# KiCad board Boston-keyboard-V06-1J.kicad_pcb (continued)
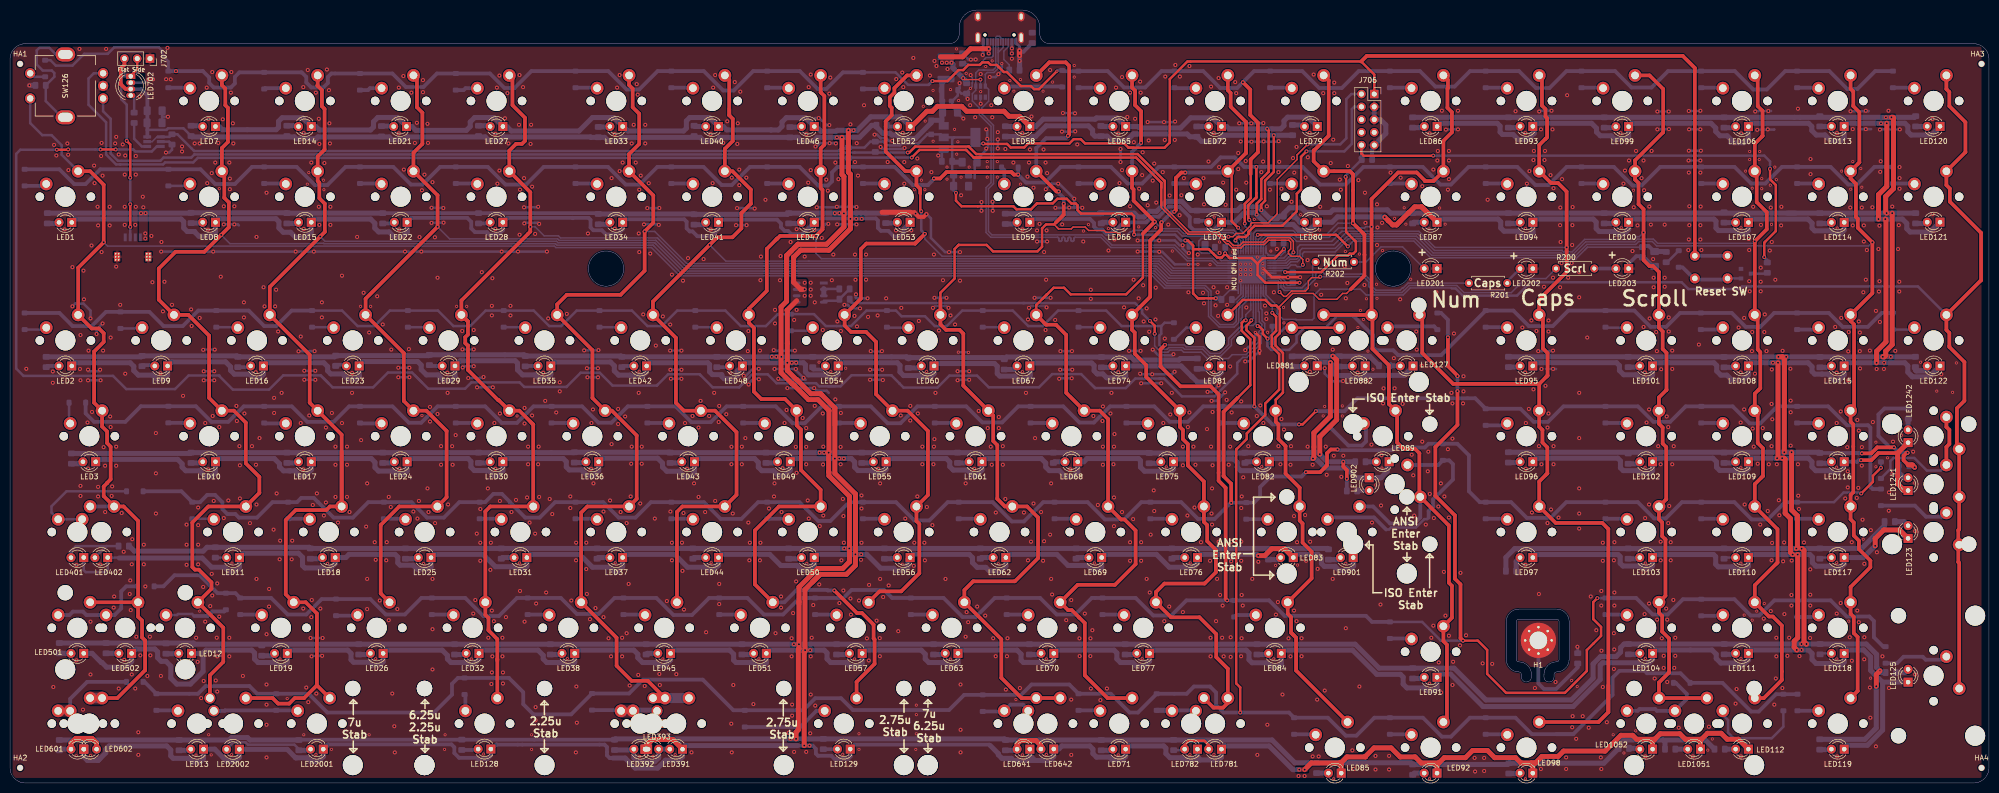
[diagram p0: board, top side]
## Nets (continued)
Row4: D3.1 D10.1 D17.1 D24.1 D30.1 D36.1 D43.1 D49.1 D55.1 D61.1 D68.1 D75.1 D82.1 D89.1 D96.1 D102.1 D109.1 D116.1 D123.1 U701.18 UA701.18
Row5: D4.1 D11.1 D18.1 D25.1 D31.1 D37.1 D44.1 D50.1 D56.1 D62.1 D69.1 D76.1 D83.1 D90.1 D97.1 D103.1 D110.1 D117.1 D124.1 U701.19 UA701.19
Row6: D5.1 D12.1 D19.1 D26.1 D32.1 D38.1 D45.1 D51.1 D57.1 D63.1 D70.1 D77.1 D84.1 D91.1 D104.1 D111.1 D118.1 D125.1 D127.1 U701.20 UA701.20
Row7: D6.1 D13.1 D20.1 D39.1 D64.1 D71.1 D78.1 D85.1 D92.1 D98.1 D105.1 D112.1 D119.1 D128.1 D129.1 U701.14 UA701.14
SCRL_INDICATOR: LED203.2 R200.1
SWCLK: J706.4 U701.37 UA701.37
SWDIO: J706.2 U701.34 UA701.34
Net-(D1-Pad2): D1.2 SW1.2
Net-(D2-Pad2): D2.2 SW2.2
Net-(D3-Pad2): D3.2 SW3.2
Net-(D4-Pad2): D4.2 SW4-1.2 SW4-2.2
Net-(D5-Pad2): D5.2 SW5-1.2 SW5-2.2
Net-(D6-Pad2): D6.2 SW6-1.2 SW6-2.2
Net-(D7-Pad2): D7.2 SW7.2
Net-(D8-Pad2): D8.2 SW8.2
Net-(D9-Pad2): D9.2 SW9.2
Net-(D10-Pad2): D10.2 SW10.2
Net-(D11-Pad2): D11.2 SW11.2
Net-(D12-Pad2): D12.2 SW12.2
Net-(D13-Pad2): D13.2 SW13.2
Net-(D14-Pad2): D14.2 SW14.2
Net-(D15-Pad2): D15.2 SW15.2
Net-(D16-Pad2): D16.2 SW16.2
Net-(D17-Pad2): D17.2 SW17.2
Net-(D18-Pad2): D18.2 SW18.2
Net-(D19-Pad2): D19.2 SW19.2
Net-(D20-Pad2): D20.2 SW20-1.2 SW20-2.2
Net-(D21-Pad2): D21.2 SW21.2
Net-(D22-Pad2): D22.2 SW22.2
Net-(D23-Pad2): D23.2 SW23.2
Net-(D24-Pad2): D24.2 SW24.2
Net-(D25-Pad2): D25.2 SW25.2
Net-(D26-Pad2): D26.2 SW26.2
Net-(D27-Pad2): D27.2 SW27.2
Net-(D28-Pad2): D28.2 SW28.2
Net-(D29-Pad2): D29.2 SW29.2
Net-(D30-Pad2): D30.2 SW30.2
Net-(D31-Pad2): D31.2 SW31.2
Net-(D32-Pad2): D32.2 SW32.2
Net-(D33-Pad2): D33.2 SW33.2
Net-(D34-Pad2): D34.2 SW34.2
Net-(D35-Pad2): D35.2 SW35.2
Net-(D36-Pad2): D36.2 SW36.2
Net-(D37-Pad2): D37.2 SW37.2
Net-(D38-Pad2): D38.2 SW38.2
Net-(D39-Pad2): D39.2 SW39-1.2 SW39-2.2 SW39-3.2
Net-(D40-Pad2): D40.2 SW40.2
Net-(D41-Pad2): D41.2 SW41.2
Net-(D42-Pad2): D42.2 SW42.2
Net-(D43-Pad2): D43.2 SW43.2
Net-(D44-Pad2): D44.2 SW44.2
Net-(D45-Pad2): D45.2 SW45.2
Net-(D46-Pad2): D46.2 SW46.2
Net-(D47-Pad2): D47.2 SW47.2
Net-(D48-Pad2): D48.2 SW48.2
Net-(D49-Pad2): D49.2 SW49.2
Net-(D50-Pad2): D50.2 SW50.2
Net-(D51-Pad2): D51.2 SW51.2
Net-(D52-Pad2): D52.2 SW52.2
Net-(D53-Pad2): D53.2 SW53.2
Net-(D54-Pad2): D54.2 SW54.2
Net-(D55-Pad2): D55.2 SW55.2
Net-(D56-Pad2): D56.2 SW56.2
Net-(D57-Pad2): D57.2 SW57.2
Net-(D58-Pad2): D58.2 SW58.2
Net-(D59-Pad2): D59.2 SW59.2
Net-(D60-Pad2): D60.2 SW60.2
Net-(D61-Pad2): D61.2 SW61.2
Net-(D62-Pad2): D62.2 SW62.2
Net-(D63-Pad2): D63.2 SW63.2
Net-(D64-Pad2): D64.2 SW64-1.2 SW64-2.2
Net-(D65-Pad2): D65.2 SW65.2
Net-(D66-Pad2): D66.2 SW66.2
Net-(D67-Pad2): D67.2 SW67.2
Net-(D68-Pad2): D68.2 SW68.2
Net-(D69-Pad2): D69.2 SW69.2
Net-(D70-Pad2): D70.2 SW70.2
Net-(D71-Pad2): D71.2 SW71.2
Net-(D72-Pad2): D72.2 SW72.2
Net-(D73-Pad2): D73.2 SW73.2
Net-(D74-Pad2): D74.2 SW74.2
Net-(D75-Pad2): D75.2 SW75.2
Net-(D76-Pad2): D76.2 SW76.2
Net-(D77-Pad2): D77.2 SW77.2
Net-(D78-Pad2): D78.2 SW78-1.2 SW78-2.2
Net-(D79-Pad2): D79.2 SW79.2
Net-(D80-Pad2): D80.2 SW80.2
Net-(D81-Pad2): D81.2 SW81.2
Net-(D82-Pad2): D82.2 SW82.2
Net-(D83-Pad2): D83.2 SW83.2
Net-(D84-Pad2): D84.2 SW84.2
Net-(D85-Pad2): D85.2 SW85.2
Net-(D86-Pad2): D86.2 SW86.2
Net-(D87-Pad2): D87.2 SW87.2
Net-(D88-Pad2): D88.2 SW88-1.2 SW88-2.2
Net-(D89-Pad2): D89.2 SW89.2
Net-(D90-Pad2): D90.2 SW90-1.2 SW90-2.2
Net-(D91-Pad2): D91.2 SW91.2
Net-(D92-Pad2): D92.2 SW92.2
Net-(D93-Pad2): D93.2 SW93.2
Net-(D94-Pad2): D94.2 SW94.2
Net-(D95-Pad2): D95.2 SW95.2
Net-(D96-Pad2): D96.2 SW96.2
Net-(D97-Pad2): D97.2 SW97.2
Net-(D98-Pad2): D98.2 SW98.2
Net-(D99-Pad2): D99.2 SW99.2
Net-(D100-Pad2): D100.2 SW100.2
Net-(D101-Pad2): D101.2 SW101.2
Net-(D102-Pad2): D102.2 SW102.2
Net-(D103-Pad2): D103.2 SW103.2
Net-(D104-Pad2): D104.2 SW104.2
Net-(D105-Pad2): D105.2 SW105-1.2 SW105-2.2
Net-(D106-Pad2): D106.2 SW106.2
Net-(D107-Pad2): D107.2 SW107.2
Net-(D108-Pad2): D108.2 SW108.2
Net-(D109-Pad2): D109.2 SW109.2
Net-(D110-Pad2): D110.2 SW110.2
Net-(D111-Pad2): D111.2 SW111.2
Net-(D112-Pad2): D112.2 SW112.2
Net-(D113-Pad2): D113.2 SW113.2
Net-(D114-Pad2): D114.2 SW114.2
Net-(D115-Pad2): D115.2 SW115.2
Net-(D116-Pad2): D116.2 SW116.2
Net-(D117-Pad2): D117.2 SW117.2
Net-(D118-Pad2): D118.2 SW118.2
Net-(D119-Pad2): D119.2 SW119.2
Net-(D120-Pad2): D120.2 SW120.2
Net-(D121-Pad2): D121.2 SW121.2
Net-(D122-Pad2): D122.2 SW122.2
Net-(D123-Pad2): D123.2 SW123.2
Net-(D124-Pad2): D124.2 SW124-1.2 SW124-2.2
Net-(D125-Pad2): D125.2 SW125.2
Net-(D126-Pad2): D126.2 SW126.S2
Net-(D127-Pad2): D127.2 SW127.2
Net-(D128-Pad2): D128.2 SW128.2
Net-(D129-Pad2): D129.2 SW129.2
Net-(D703-Pad1): D703.1 R711.2
Net-(D703-Pad2): D703.2 Q701.1 SW200.2
Net-(H1-Pad1): H1.1 L2.2
Net-(J701-Pad3): J701.3 J702.2 LED702.1
Net-(J705-PadA5): J705.A5 R704.2
Net-(J705-PadB5): J705.B5 R705.2
Net-(J705-PadS): J705.S L702.1
Net-(L1-Pad1): L1.1 SW126.S
Net-(LED1-Pad2): LED1.2 R1.2
Net-(LED2-Pad2): LED2.2 R2.2
Net-(LED3-Pad2): LED3.2 R3.2
Net-(LED7-Pad2): LED7.2 R7.2
Net-(LED8-Pad2): LED8.2 R8.2
Net-(LED9-Pad2): LED9.2 R9.2
Net-(LED10-Pad2): LED10.2 R10.2
Net-(LED11-Pad2): LED11.2 R11.2
Net-(LED12-Pad2): LED12.2 R12.2
Net-(LED13-Pad2): LED13.2 R13.2
Net-(LED14-Pad2): LED14.2 R14.2
Net-(LED15-Pad2): LED15.2 R15.2
Net-(LED16-Pad2): LED16.2 R16.2
Net-(LED17-Pad2): LED17.2 R17.2
Net-(LED18-Pad2): LED18.2 R18.2
Net-(LED19-Pad2): LED19.2 R19.2
Net-(LED21-Pad2): LED21.2 R21.2
Net-(LED22-Pad2): LED22.2 R22.2
Net-(LED23-Pad2): LED23.2 R23.2
Net-(LED24-Pad2): LED24.2 R24.2
Net-(LED25-Pad2): LED25.2 R25.2
Net-(LED26-Pad2): LED26.2 R26.2
Net-(LED27-Pad2): LED27.2 R27.2
Net-(LED28-Pad2): LED28.2 R28.2
Net-(LED29-Pad2): LED29.2 R29.2
Net-(LED30-Pad2): LED30.2 R30.2
Net-(LED31-Pad2): LED31.2 R31.2
Net-(LED32-Pad2): LED32.2 R32.2
Net-(LED33-Pad2): LED33.2 R33.2
Net-(LED34-Pad2): LED34.2 R34.2
Net-(LED35-Pad2): LED35.2 R35.2
Net-(LED36-Pad2): LED36.2 R36.2
Net-(LED37-Pad2): LED37.2 R37.2
Net-(LED38-Pad2): LED38.2 R38.2
Net-(LED40-Pad2): LED40.2 R40.2
Net-(LED41-Pad2): LED41.2 R41.2
Net-(LED42-Pad2): LED42.2 R42.2
Net-(LED43-Pad2): LED43.2 R43.2
Net-(LED44-Pad2): LED44.2 R44.2
Net-(LED45-Pad2): LED45.2 R45.2
Net-(LED46-Pad2): LED46.2 R46.2
Net-(LED47-Pad2): LED47.2 R47.2
Net-(LED48-Pad2): LED48.2 R48.2
Net-(LED49-Pad2): LED49.2 R49.2
Net-(LED50-Pad2): LED50.2 R50.2
Net-(LED51-Pad2): LED51.2 R51.2
Net-(LED52-Pad2): LED52.2 R52.2
Net-(LED53-Pad2): LED53.2 R53.2
Net-(LED54-Pad2): LED54.2 R54.2
Net-(LED55-Pad2): LED55.2 R55.2
Net-(LED56-Pad2): LED56.2 R56.2
Net-(LED57-Pad2): LED57.2 R57.2
Net-(LED58-Pad2): LED58.2 R58.2
Net-(LED59-Pad2): LED59.2 R59.2
Net-(LED60-Pad2): LED60.2 R60.2
Net-(LED61-Pad2): LED61.2 R61.2
Net-(LED62-Pad2): LED62.2 R62.2
Net-(LED63-Pad2): LED63.2 R63.2
Net-(LED65-Pad2): LED65.2 R65.2
Net-(LED66-Pad2): LED66.2 R66.2
Net-(LED67-Pad2): LED67.2 R67.2
Net-(LED68-Pad2): LED68.2 R68.2
Net-(LED69-Pad2): LED69.2 R69.2
Net-(LED70-Pad2): LED70.2 R70.2
Net-(LED71-Pad2): LED71.2 R71.2
Net-(LED72-Pad2): LED72.2 R72.2
Net-(LED73-Pad2): LED73.2 R73.2
Net-(LED74-Pad2): LED74.2 R74.2
Net-(LED75-Pad2): LED75.2 R75.2
Net-(LED76-Pad2): LED76.2 R76.2
Net-(LED77-Pad2): LED77.2 R77.2
Net-(LED79-Pad2): LED79.2 R79.2
Net-(LED80-Pad2): LED80.2 R80.2
Net-(LED81-Pad2): LED81.2 R81.2
Net-(LED82-Pad2): LED82.2 R82.2
Net-(LED83-Pad2): LED83.2 R83.2
Net-(LED84-Pad2): LED84.2 R84.2
Net-(LED85-Pad2): LED85.2 R85.2
Net-(LED86-Pad2): LED86.2 R86.2
Net-(LED87-Pad2): LED87.2 R87.2
Net-(LED89-Pad2): LED89.2 R89.2
Net-(LED91-Pad2): LED91.2 R91.2
Net-(LED92-Pad2): LED92.2 R92.2
Net-(LED93-Pad2): LED93.2 R93.2
Net-(LED94-Pad2): LED94.2 R94.2
Net-(LED95-Pad2): LED95.2 R95.2
Net-(LED96-Pad2): LED96.2 R96.2
Net-(LED97-Pad2): LED97.2 R97.2
Net-(LED98-Pad2): LED98.2 R98.2
Net-(LED99-Pad2): LED99.2 R99.2
Net-(LED100-Pad2): LED100.2 R100.2
Net-(LED101-Pad2): LED101.2 R101.2
Net-(LED102-Pad2): LED102.2 R102.2
Net-(LED103-Pad2): LED103.2 R103.2
Net-(LED104-Pad2): LED104.2 R104.2
Net-(LED106-Pad2): LED106.2 R106.2
Net-(LED107-Pad2): LED107.2 R107.2
Net-(LED108-Pad2): LED108.2 R108.2
Net-(LED109-Pad2): LED109.2 R109.2
Net-(LED110-Pad2): LED110.2 R110.2
Net-(LED111-Pad2): LED111.2 R111.2
Net-(LED112-Pad2): LED112.2 R112.2
Net-(LED113-Pad2): LED113.2 R113.2
Net-(LED114-Pad2): LED114.2 R114.2
Net-(LED115-Pad2): LED115.2 R115.2
Net-(LED116-Pad2): LED116.2 R116.2
Net-(LED117-Pad2): LED117.2 R117.2
Net-(LED118-Pad2): LED118.2 R118.2
Net-(LED119-Pad2): LED119.2 R119.2
Net-(LED120-Pad2): LED120.2 R120.2
Net-(LED121-Pad2): LED121.2 R121.2
Net-(LED122-Pad2): LED122.2 R122.2
Net-(LED123-Pad2): LED123.2 R123.2
Net-(LED125-Pad2): LED125.2 R125.2
Net-(LED127-Pad2): LED127.2 R127.2
Net-(LED128-Pad2): LED128.2 R128.2
Net-(LED129-Pad2): LED129.2 R129.2
Net-(LED391-Pad2): LED391.2 LED392.2 LED393.2 R39.2
Net-(LED401-Pad2): LED401.2 LED402.2 R4.2
Net-(LED501-Pad2): LED501.2 R501.2
Net-(LED502-Pad2): LED502.2 R502.2
Net-(LED601-Pad2): LED601.2 LED602.2 R6.2
Net-(LED641-Pad2): LED641.2 LED642.2 R64.2
Net-(LED781-Pad2): LED781.2 LED782.2 R78.2
Net-(LED881-Pad2): LED881.2 R881.2
Net-(LED882-Pad2): LED882.2 R882.2
Net-(LED901-Pad2): LED901.2 R901.2
Net-(LED902-Pad2): LED902.2 R902.2
Net-(LED1051-Pad2): LED1051.2 R1051.2
Net-(LED1052-Pad2): LED1052.2 R1052.2
Net-(LED1241-Pad2): LED1241.2 R1241.2
Net-(LED1242-Pad2): LED1242.2 R1242.2
Net-(LED2001-Pad2): LED2001.2 LED2002.2 R20.2
Net-(Q701-Pad3): Q701.3 R703.2
Net-(Q702-Pad4): Q702.4 R706.2 R707.2
Net-(R200-Pad2): R200.2 U701.12 UA701.12
Net-(R201-Pad2): R201.2 U701.11 UA701.11
Net-(R202-Pad2): R202.2 U701.10 UA701.10
Net-(R710-Pad2): R710.2 U705.4

Pads without a net: J705 A8 B8; J706 6 7 8; U703 1 3

## Via types
v1: diameter 0.8, hole 0.4, Top to Bottom, 1846 vias
v2: diameter 0.6, hole 0.3, Top to Bottom, 237 vias

## Routing (per net, layer and track width the routed paths; a pad name or vN(x,y) marks a point on that pad's centre or on a via; arc(x,y) is an arc through that point)
+3V3: length 527
  Top w0.5: 236.2,96.38 235.23,97.34 235.23,106.84 234.2,107.88 v1(233.7,107.88) ; 236.2,96.38 v1(239.75,96.38) ; 236.2,96.38 237.4,96.38 ; 235.5,106.12 238.38,106.12 240.02,104.48 240.91,104.48 241.6,105.17 v1(241.6,105.33) 241.6,105.28 242.5,104.38 246.9,104.38 248.05,103.22 ; 222.4,126.33 223.45,126.33 ; 222.4,126.33 221.65,127.08 221.65,127.17 213.75,127.17 212.9,128.03 211.5,128.03 210.65,127.17 202.45,127.17 201.65,126.38 198.95,126.38 198.25,127.08 193.6,127.08 v1(193.5,127.17) ; 222.4,126.33 229.55,126.33 230.6,127.38 ; 230.6,127.38 230.6,139.97 234.1,143.47 268.65,143.47 271.25,140.88 J706.1 ; 230.6,127.38 230.6,128.93 ; v1(188.08,117.34) 188.08,115.78 189.19,114.67 199.5,114.67 200.1,114.08 203,114.08 204.18,115.25 ; v1(253.3,106.17) 251.5,104.38 249.1,104.38 249.1,104.36 248.05,103.31 248.05,103.22 ; 248.05,103.22 248.05,101.03 249.6,99.48 v1(256.4,99.48) ; 204.18,115.25 207.32,115.25 208.25,116.17 210.1,116.17 211.05,115.22 211.9,115.22 212.25,114.88 212.25,113.92 212.95,113.22 223,113.22 223.5,112.72 v1(223.5,109.03) ; 204.18,115.25 203.95,115.03
  Top w0.75: 268.65,143.47 269.75,144.57 332.6,144.57 335,142.18 SW200.1
  Bottom w0.3: 253.43,105.64 252.68,104.88 U701.1 250.21,104.88 ; 249.71,105.39 U701.48 UA701.48 UA701.1 ; 240.88,96.12 240.88,96.35 ; C708.1 254.54,98.94 254,98.94 253.69,99.26 253.69,99.65 252.46,100.88 U701.9 ; U705.1 29.2,128.48 28.25,127.53 U705.5 ; 240.91,96.38 242.5,97.97 U701.24 ; U701.36 241.95,104.88 241.57,105.27 241.57,105.84
  Bottom w0.5: 253.43,105.64 253.43,106.05 v1(253.3,106.17) 253.3,107.03 253.23,107.1 ; v1(256.4,99.48) 256.36,99.44 C708.1 ; 187.7,128.38 U702.2 185.05,128.97 183.2,128.97 ; 187.7,128.38 U702.2 191.95,127.47 192.3,127.12 193.45,127.12 v1(193.5,127.17) ; 187.7,128.38 187.32,128 187.32,121.36 C706.1 C716.1 187.61,117.81 v1(188.08,117.34) ; 234.46,106.92 C710.1 233.7,107.86 v1(233.7,107.88) 232.8,107.88 231.65,109.03 v1(223.5,109.03) ; U705.1 31.68,128.48 C712.1 33.28,129 36.61,125.67 164.69,125.67 165.2,126.17 166.54,126.17 R708.2 169.88,126.35 171.06,127.53 R709.2 173.59,127.53 174.35,126.78 176.95,126.78 177.35,127.17 180.6,127.17 ; 180.6,127.17 180.96,127.53 ; 180.6,127.17 182.4,128.97 D702.2
  Bottom w0.75: SW200.1 SW200.1
  Bottom w1: v1(239.75,96.38) 240.63,96.38 240.88,96.12 ; C711.1 187.5,123.44 187.32,123.62
+5V: length 2764.5
  Top w0.5: v1(248.8,113.92) 248.8,115.03 249.55,115.78 249.55,119.78 251.27,121.5 v1(251.27,128.8)
  Top w0.75: v1(265.1,63.88) 265.1,62.9 265.8,62.2 v1(265.8,60.5) ; 377.43,63.24 376.5,64.17 376.5,65.05 377.12,65.67 v1(377.3,65.67) ; v1(368.21,65.55) 370.08,65.55 371.27,66.74 v1(374.59,66.74) ; J702.3 22.75,142.82 22,142.07 22,138.97 22.98,137.99 LED702.3
  Top w1: 162.82,74.06 160.65,76.22 158.75,76.22 155.96,79.02 155.89,79.02 155.48,79.42 155.45,79.42 153.3,81.58 153.3,94.67 154.4,95.78 154.4,104.88 ; 162.82,74.06 162.82,65.74 v1(162.76,65.69) 162.76,61.81 162.82,61.76 162.82,61.09 166.9,57.01 166.9,43.97 ; 162.82,74.06 162.75,74.12 ; v1(372.36,84.74) 372.66,84.74 372.95,85.03 372.95,85.88 374.24,87.16 v1(374.24,113.31) ; v1(355.18,46.6) 355.4,46.82 355.4,53.12 354.24,54.29 v1(354.24,65.76) ; 166.9,43.97 165.58,42.66 160.58,42.66 156.87,38.94 156.87,36.06 ; 166.9,43.97 166.9,46.09 ; 154.4,104.88 154.4,103.67 ; 154.4,104.88 155.35,105.83 ; 154.4,104.88 156.65,107.12 ; 156.87,36.06 156.87,26.71 156.73,26.57 156.73,10.55 156.29,10.11 v1(156.29,8.76) ; 156.87,36.06 156.87,35.68 ; v1(378.7,62.78) 378.24,63.24 377.43,63.24 ; v1(165.41,128.38) 165.41,120.98 165.8,120.59 v1(165.8,113.28) 165.8,110.58 162.35,107.12 156.65,107.12 ; v1(371.07,19.24) 371.07,21.56 v2(371.81,22.31) ; v1(356.23,46.6) 356.32,46.6 356.7,46.22 356.7,28.07 357.15,27.62 v1(357.2,27.62) ; v1(352.79,65.76) 352.79,74.91 352.8,74.92 352.8,84.38 352.44,84.74 v1(351.61,84.74) ; v1(373.14,113.31) 372.95,113.5 372.95,116.62 374.5,118.17 374.5,132.22 374.36,132.36 v1(374.09,132.36) ; 156.65,107.12 155.9,106.38 ; v1(263,84.88) 263.78,84.09 263.78,72.22 260.43,68.86 v1(260.43,65.38)
  Bottom w0.5: R7.1 34.47,130.18 31.4,130.18 31.1,129.88 27.3,129.88 ; 185.1,131.78 185.28,131.95 ; U705.6 27.63,128.48
  Bottom w0.75: R902.1 v1(265.8,60.5) ; R34.1 116.8,113.31 R28.1 R22.1 ; R39.1 57.5,8.6 R20.1 ; v1(368.21,65.55) 367.62,65.55 367.55,65.62 R116.1 ; v1(377.3,65.67) 375.66,65.67 v1(374.59,66.74) 373.76,66.74 371.5,69 371.5,73.28 372.69,74.47 R1242.1 ; U705.6 27.3,128.51 27.3,136.72 26.03,137.99 LED702.3 23.97,138.03 ; 185.55,135.32 185.28,135.6
  Bottom w1: R58.1 199.93,128.55 200.5,127.97 202.75,127.97 203.32,128.55 203.9,128.55 206.02,130.68 214.43,130.68 215.25,129.85 215.25,129.07 215.7,128.62 R65.1 218.15,128.62 218.95,127.83 222.12,127.83 ; R81.1 232.7,84.41 232.4,84.1 223.51,84.1 222.92,84.69 R74.1 198.12,84.69 R67.1 ; R121.1 v1(374.24,113.31) v1(373.14,113.31) R87.1 ; 178.64,84.33 178.24,84.74 R54.1 v1(153.36,84.74) v1(152.36,84.74) v1(151.46,84.74) R48.1 R42.1 121.49,84.9 R35.1 102.19,85.14 R29.1 83.22,84.97 R23.1 64.51,84.74 R16.1 45.1,84.92 26.24,84.92 26.05,84.74 R2.1 ; R44.1 135.85,46.64 ; 135.85,46.64 R37.1 R31.1 R18.1 59.49,46.86 39.16,46.86 38.4,46.1 24.7,46.1 23.7,47.1 R4.1 ; 135.85,46.64 R50.1 v1(165.86,46.64) v1(166.86,46.64) R62.1 R76.1 261.96,46.64 R901.1 ; R59.1 216.87,113.2 R66.1 223.54,113.31 224.3,112.55 225.46,112.55 226.58,113.67 227.98,113.67 229.96,115.66 232.97,115.66 234.8,113.83 R73.1 244,113.83 ; R64.1 197.71,8.76 v1(156.29,8.76) v1(155.19,8.76) 120.36,8.76 R39.1 120.14,8.54 ; R64.1 R71.1 250.93,8.54 255.46,4.01 R85.1 278.56,4.01 R92.1 297.77,3.68 R98.1 316.9,3.93 R1052.1 319.86,7.58 320.83,8.55 328.7,8.55 ; R64.1 197.86,8.61 ; 222.12,127.83 222.92,128.62 ; 222.12,127.83 223.35,129.05 ; R6.1 R13.1 43.58,8.54 44.06,9.02 47.2,9.02 47.69,8.54 R20.1 ; R123.1 372.72,51.19 368.16,46.64 R117.1 359.81,46.6 v1(356.23,46.6) v1(355.18,46.6) 299.18,46.6 297.43,44.85 R97.1 ; R67.1 197.37,84.58 178.61,84.58 ; R67.1 197.98,84.55 ; 255.15,84.85 R882.1 270.32,84.85 R127.1 ; R86.1 R99.1 R106.1 v1(372.99,132.36) v1(374.09,132.36) 378.67,132.36 R120.1 ; R87.1 274.51,113.31 273.85,113.97 263.05,113.97 262.5,113.42 257.75,113.42 256.8,114.38 254.4,114.38 253.27,113.25 R80.1 252.49,112.72 252,112.23 250.49,112.23 248.14,114.58 244.76,114.58 244,113.83 ; R87.1 278.78,113.42 ; R116.1 359.71,65.76 v1(354.24,65.76) v1(352.79,65.76) R96.1 ; 185.1,131.78 D702.1 183.15,131.28 180,128.12 176.9,128.12 176.9,128.22 176.28,128.85 175.32,128.85 174.97,129.2 173.53,129.2 172.28,130.45 R52.1 171.3,130.78 168.91,128.38 v1(165.41,128.38) v1(164.41,128.38) 160.46,128.38 159.7,127.62 157.4,127.62 156.64,128.38 ; R22.1 R15.1 54.98,113.39 R8.1 35.93,113.31 v1(26.94,113.31) v1(26.04,113.31) R1.1 ; R34.1 135.94,113.15 R41.1 154.59,113.08 R47.1 v1(163.99,113.31) v1(164.89,113.31) 174.04,113.31 R53.1 ; R79.1 241.07,128.8 241.07,128.6 240.05,127.58 236.9,127.58 R72.1 234.6,128.5 234.05,129.05 223.35,129.05 ; R1051.1 329.06,8.19 328.7,8.55 ; 353.39,113.31 354.99,113.31 ; F701.1 185.28,139.15 185.28,131.05 U702.3 ; 223.35,129.05 224.48,129.05 ; 328.7,8.55 337.07,8.55 338.9,6.72 ; 244,113.83 244.09,113.91 ; R125.1 372.17,21.95 v2(371.81,22.31) 371.14,22.97 371.14,25.56 369.08,27.62 R118.1 v1(357.2,27.62) v1(356.2,27.62) R111.1 R104.1 320.93,27.62 320.23,26.93 320.23,26 319.35,25.12 316.22,25.12 314.77,23.67 314.77,20.85 310.43,16.5 293.45,16.5 287.13,22.82 272.22,22.82 267.46,27.59 R84.1 v1(156.86,27.59) v1(155.86,27.59) 36.69,27.59 36.45,27.83 R501.1 ; R119.1 368.82,8.68 371.07,10.92 v1(371.07,19.24) ; 156.64,128.38 141.14,128.38 141.14,128.37 140.5,127.72 137.9,127.72 137.24,128.38 121.81,128.38 121.2,127.78 118.85,127.78 118.24,128.38 115.48,128.38 115.4,128.47 98.16,128.47 98.16,128.38 97.6,127.83 95.15,127.83 94.51,128.47 79.01,128.47 78.46,127.92 75.95,127.92 75.41,128.47 61.19,128.47 60.83,128.1 56.88,128.1 56.54,128.43 56.54,128.47 36.18,128.47 R7.1 ; 156.64,128.38 156.14,128.38 ; 377.6,63.18 378.3,63.18 v1(378.7,62.78) ; R122.1 378.84,84.74 v1(373.96,84.74) v1(372.36,84.74) v1(353.16,84.74) v1(351.61,84.74) R101.1 321.74,84.75 R95.1 ; R3.1 35.84,65.53 R10.1 R17.1 R24.1 R30.1 112.13,65.69 R36.1 131.18,65.76 R43.1 R49.1 v1(160.96,65.69) v1(161.86,65.69) v1(162.76,65.69) R55.1 R61.1 R68.1 226.43,65.69 R75.1 245.48,65.62 R82.1 260.11,65.69 v1(260.43,65.38) 261.93,63.87 R89.1
  vias: v1(26.9,109.28) v1(26.9,108.28)
GND: length 574.2
  Top w0.5: v2(249.12,102.36) 250.9,100.58 v1(254.1,100.58) v1(256.5,100.58) ; v2(247.6,89.58) 248.45,88.72 v1(248.45,85.92) 248.45,85.33 ; v1(245.6,83.83) 245.65,83.88
  Top w0.75: 179.12,113.48 179.8,113.48 ; 179.8,113.48 179.9,113.48 ; 179.8,113.48 v1(180.05,113.22) 180.41,112.87 180.41,112.81 180.67,112.56 181.65,112.56 v1(182.2,113.1)
  Top w1: 173.4,113.48 179.12,113.48 ; v1(200.72,144.62) v1(200.72,145.62)
  Bottom w0.3: C707.2 243.68,96.12 244.71,97.16 U701.23 v2(244.71,99.88) UA701.49 ; UA701.49 247.71,101.38 v2(249.11,101.38) U701.8 ; UA701.49 249.21,104.38 U701.47 249.21,107.33 249.56,107.69 ; UA701.49 244.71,104.38 U701.35 ; v1(183.5,94.47) 183.87,94.85 186.23,94.85 v1(186.6,94.47) ; v1(202.6,94.47) 202.97,94.85 205.83,94.85 v1(206.1,94.58) ; 190.38,137.1 C714.2 190.2,137.38 v2(190.95,138.12) 191.3,138.47 191.3,139.18 191.35,139.22 191.35,140.22 191,140.57 v1(191,140.78) ; v1(193,135.07) 192.95,135.12 192.95,136.34
  Bottom w0.5: v1(133.5,80.38) v1(131.4,80.38) ; v1(347,133.53) 347.1,133.62 350.15,133.62 ; C714.2 190.2,137.12 ; C714.2 189.15,137.1 D701.2 ; C714.2 190.2,136.22 v1(190.4,136.03) ; v1(18,80.08) v1(15.5,80.08) ; v1(208.8,82.17) v1(211.2,82.17) ; v1(156.05,85.97) 151.95,85.97 v1(151.85,86.08) ; v1(16,92.38) 16,93.92 14.6,95.33 12.95,95.33 v1(12.4,94.78) ; v1(91.1,80.53) 93.95,80.53 v1(94.15,80.72) ; v1(209.15,129.53) 211.75,129.53 v1(211.8,129.57) ; v1(188.4,81.88) v1(190.7,81.88) ; v1(131.25,85.97) v1(133.5,85.97) ; v1(77.2,82.58) v1(79.4,82.58) ; v1(171,82.17) v1(173.4,82.17) ; v1(311.65,27.07) 311.7,27.03 L2.1 ; v1(327.55,129.97) 327.6,130.03 v1(329.85,130.03) ; 199.99,147.97 199.99,147.21 200.72,146.47 v1(200.72,145.62) 200.72,145.4 200.72,145.68 ; v1(148.05,114.22) 147.95,114.33 v1(144.55,114.33) ; v1(60.7,80.17) v1(58.5,80.17) ; v1(105.2,111.17) 104.97,111.41 102.38,111.41 v1(102.25,111.28) ; 30.24,132.59 30.24,131.3 C713.2 ; 30.24,132.59 C704.2 ; 30.24,132.59 30.35,132.47 v1(31.4,132.47) ; v1(171,80.17) 173.5,80.17 v1(173.55,80.12) ; v1(162.7,111.17) 162.2,111.17 160.95,109.92 v1(159.9,109.92) ; v1(194.3,128.07) 194.3,127.88 ; v1(194.3,128.07) 194.3,129.78 v1(194.1,129.97) ; v1(194.3,128.07) 194.48,127.9 194.48,126.53 194.45,126.53 v1(194.1,126.17) 194.1,125.88 191.8,123.58 191.8,120.28 ; D701.2 188.45,136.72 187.32,135.6 187.32,134.45 188.39,133.39 C701.2 188.39,133.29 v1(189.55,132.12) ; D701.2 188.8,138.15 v1(188.8,139.18) ; v1(168.3,114.53) 168.25,114.58 v1(164.4,114.58) 164.3,114.47 v1(160.4,114.47) ; v1(238.9,75.97) 239.9,75.97 v1(241.6,77.67) ; v1(160.15,126.58) 160.4,126.58 161.05,127.22 v1(162.95,127.22) 164.15,127.22 v1(164.2,127.17) ; v1(31,125.37) 31.64,125.37 32.2,125.92 C712.2 31.62,127.53 U705.2 ; 162.8,77.58 162.38,78 160.4,78 v1(159.88,78.53) v1(154.55,78.53) ; v1(240.3,79.08) 239,77.78 v1(238.1,77.78) ; v1(371.8,129.93) 371.85,129.97 v1(375.75,129.97) ; v1(211.1,80.47) 208.7,80.47 v1(208.6,80.38) ; v1(252.25,127.62) 252.15,127.53 v1(246.85,127.53) 245.6,127.53 ; v1(196.4,127.97) v1(196.4,126.17) ; v1(17.2,89.28) 17.2,90.17 v1(18.4,91.38) ; v1(193.15,113.78) v1(193.15,115.53) ; v1(116.9,82.47) v1(114.7,82.47) ; v1(175.4,127.67) 174.75,127.67 174.2,128.22 173.09,128.22 172.39,128.93 v1(171.9,128.93) ; v1(89.95,86.22) v1(92.2,86.22) ; v1(182.2,113.1) 182.27,113.1 183.1,112.28 183.1,108.38 185.9,105.58 v1(186.7,105.58) v1(188.88,105.58) ; v1(209.35,133.22) 211.7,133.22 v1(211.75,133.18) ; v1(190.7,80.17) 188.5,80.17 v1(188.4,80.08) ; v1(146.45,110.92) v1(144.35,110.92) ; v1(62.05,25.28) 60.05,25.28 v1(59.95,25.18) ; v1(333.8,133.62) 336.05,133.62 v1(336.1,133.68) ; 350.8,129.97 350.75,129.93 347.95,129.93 ; v1(131.3,82.17) v1(133.5,82.17) ; v2(244.7,103.17) 245.92,103.17 UA701.49 ; v1(195.4,113.78) 195.4,115.53 v1(195.35,115.58) ; v1(86.15,114.33) 86.1,114.38 v1(83.8,114.38) ; v1(183.8,96.47) v1(186.2,96.47) ; v1(220.8,123.47) v1(220.8,126.08) ; v1(285.5,129.93) 285.55,129.97 v1(287.9,129.97) ; v1(245.6,86.08) 247.6,88.08 v2(247.6,89.58) ; v1(327.55,133.53) v1(329.8,133.53) ; C703.2 185.28,124.75 ; 185.28,124.75 184.57,124.75 v1(184.55,124.78) ; 185.28,124.75 185.28,125.7 U702.1 ; LED702.2 26.83,139.26 v1(27.5,139.93) v1(28.42,139.93) ; 193.49,147.97 193.49,144.86 v1(193.4,144.78) ; v1(248.45,85.92) 246.35,83.83 v1(245.6,83.83) ; v1(365.95,133.57) 369.5,133.57 369.55,133.62 ; v1(165.9,95.08) 166.55,95.08 167.25,94.38 v1(169,94.38) ; v1(204.2,107.67) 206.4,107.67 ; 160.05,132.22 160.9,132.22 162.3,130.82 v1(162.9,130.82) ; v2(190.55,85.62) 188.6,85.62 v2(188.55,85.67) ; v1(79.4,80.67) v1(77.2,80.67) ; v1(40.7,86.17) 38.45,86.17 v1(38.4,86.12) ; v1(152,82.33) v1(156.25,82.33) 156.25,82.08 v1(157.78,80.55) 158.14,80.18 152.94,80.18 v1(152.75,80.38) ; v1(203.7,96.47) v1(206.9,96.47) ; v1(306.8,85.97) 306.7,85.88 v1(303.85,85.88) ; v1(60.55,85.88) 57.4,85.88 v1(57.35,85.83) ; v1(226.2,131.43) 231.55,131.43 v1(231.65,131.53) ; v1(224.7,81.38) 224.8,81.28 v1(227.1,81.28) 231.05,81.28 v1(231.55,81.78) ; v1(244.4,131.18) v1(246.8,131.18) 249.15,131.18 v1(249.2,131.22) ; v1(213.2,114.38) 213.15,114.42 211.7,114.42 ; v1(148.88,82.34) 147.68,82.34 146.31,80.97 v1(145.9,80.97) ; R707.1 161.87,98.24 161.8,98.31 ; v1(168.2,97.17) 168.15,97.12 168.15,96.53 168.3,96.38 v1(170.5,96.38) ; v1(194.8,140.38) 195.95,140.38 v1(196.53,140.95) 197.2,141.62 v2(197.2,143.07) ; v1(86.2,111.42) 86.19,111.43 83.86,111.43 v1(83.8,111.38) ; v1(224.2,105.67) 228.45,105.67 v1(228.5,105.62) 229.1,105.62 231.6,103.12 v2(236.2,103.12) ; v1(105,114.58) 104.9,114.47 v1(102.2,114.47) ; v1(208.85,85.88) v1(211.15,85.88) ; v1(222.5,85.92) v1(224.8,85.92) ; 305.4,82.33 307.4,82.33 ; v1(126.05,111.08) 128.9,111.08 v1(129,110.97) ; 367.55,130.03 370.05,130.03 ; v1(114.15,86.03) 116.95,86.03 v1(117,86.08) ; 171,85.82 171.04,85.78 173.35,85.78 ; v1(192,143.88) 190.55,143.88 189.4,145.03 R704.1 ; 15.5,81.88 17.9,81.88 ; v1(42.5,111.08) v1(44.6,111.08) 45.3,111.08 45.5,110.88 ; 211.7,114.42 v1(210.6,114.42) 210.52,114.34 207.88,114.34 v1(207.85,114.38) ; 211.7,114.42 211.6,114.53 v1(211.6,116.17) 208.6,119.17 v1(208.4,119.17) 207.05,119.17 v1(205.95,118.08) ; v1(304.05,133.53) 304.2,133.68 v1(306.5,133.68) ; v1(231.33,85.25) 231.11,85.03 228.34,85.03 v1(227.2,86.17) ; v1(173.1,126.47) 173.5,126.08 177.65,126.08 v1(177.85,126.28) ; v1(92.2,82.88) 90.25,82.88 v1(90,82.62) ; v1(261.4,82.47) 261.4,81.42 262.95,79.88 265,79.88 v1(265.05,79.92) ; v1(38.5,81.88) v1(40.6,81.88) ; v1(146.85,79.22) 146.85,79.42 147.85,80.42 148.75,80.42 v1(148.9,80.28) ; v1(224.2,107.88) v1(228.5,107.88) 231.6,107.88 232.55,106.92 v1(233.15,106.92) 233.15,106.28 234.05,105.38 v1(234.4,105.38) ; v1(96,78.67) v1(92.85,78.67) ; v1(126.7,114.33) v1(129.1,114.33) ; v1(164.45,111.08) v1(168.3,111.08) ; v1(333.75,123.78) v1(336.1,123.78) ; v1(336.2,125.72) v1(333.8,125.72) ; v1(336.1,129.97) v1(333.85,129.97) ; v1(30.05,105.67) v1(40.39,105.67) v1(56.78,105.67) v1(60.42,105.67) v1(78.53,105.67) v1(81.78,105.67) v1(97.75,105.67) v1(101,105.67) v1(106.75,105.67) ; v1(58.5,81.97) v1(60.7,81.97) ; v1(114.8,80.67) v1(116.9,80.67) ; v1(40.6,80.08) v1(38.5,80.08) ; v1(59.75,28.82) v1(62.15,28.82) ; v1(224.9,79.47) v1(228.9,79.47)
  Bottom w0.75: 327,102.8 326.65,102.8 324.7,104.75 323.35,104.75 321.83,103.23 LED203.1 ; 303.1,101.97 LED202.1 ; C702.2 270.82,126.41 J706.9 ; L702.2 201.5,145.4 200.72,145.4
  Bottom w1: 200.72,145.4 v1(200.72,144.62) v1(200.72,143.6) R705.1 200.72,143.4 ; 161.8,97.17 161.8,98.31 ; J706.9 273.55,129.14 273.55,130.85 272.48,131.92 J706.5 J706.3 ; L1.2 v1(3.85,138.72)